# Altium PCB PCB.PcbDoc (part 4 of 4)
Units mm, origin at the board's own origin, x right, y up, seen from the top; angles counter-clockwise.
Board outline 100.83 x 35.45 mm, 6 copper layers (Top Layer, Mid Layer 1, Mid Layer 2, Mid Layer 3, Mid Layer 4, Bottom Layer), stack 1.032 mm thick; 283 components, 227 nets, 1174 pads, 1065 vias.
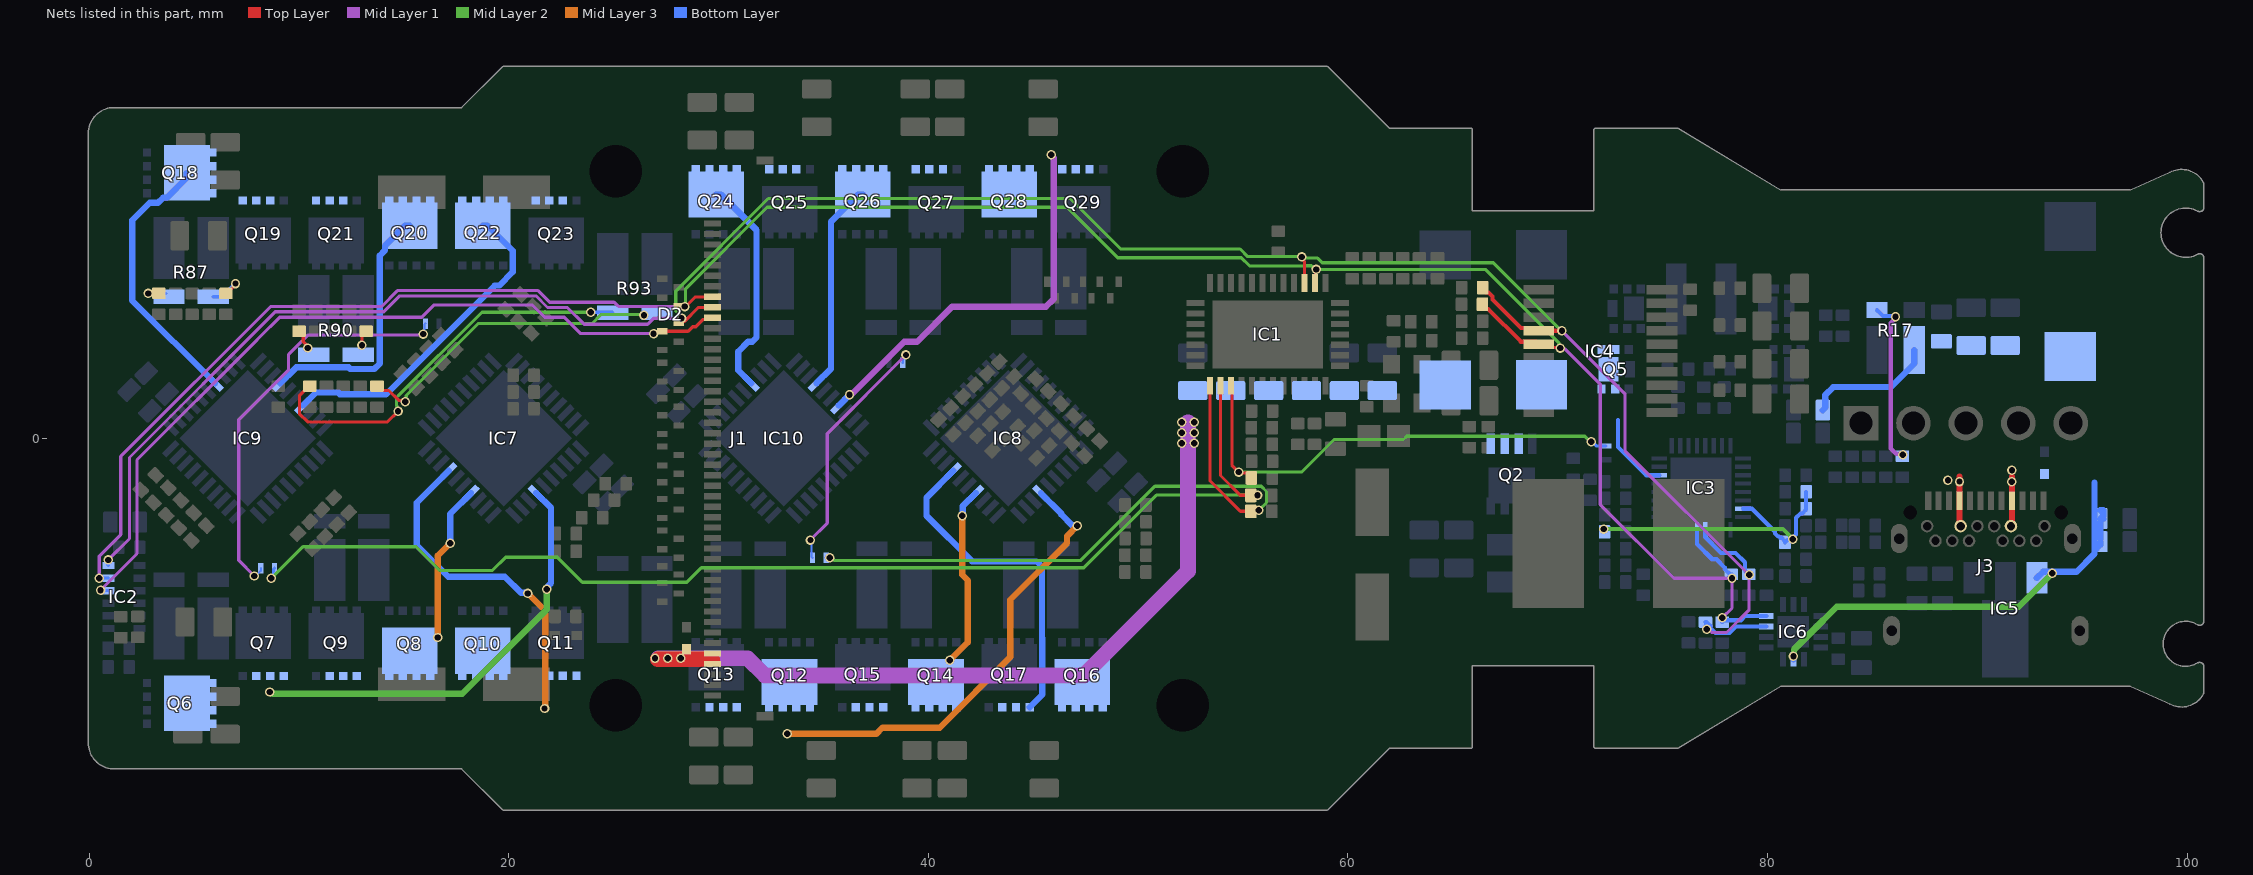
[diagram p8: the nets of this part, all layers, seen from the top]

## Via types
v1: diameter 0.45, hole 0.3, Top Layer to Bottom Layer, tented both sides, 1064 vias
v2: diameter 0.45, hole 0.3, Top Layer to Bottom Layer, tented top, 1 vias

## Nets (pads, with @x,y where several pads share a name; then routed paths per layer and width w, separated by ;. In a path a pad name is that pad's centre, name@x,y a point inside that pad or via, vN(x,y) a via of type N, cw(c..) or ccw(c..) an arc to the next point about the centre after c; other vN are vias at no path point) (continued)
NetR17_4: R17.4 R20.2 | length 8.3
  Mid Layer 1 w0.2: v1(86.1,5.788) 86.1,5.72 85.876,5.496 85.876,-0.484 86.135,-0.743 86.405,-0.743 v1(86.453,-0.791)
  Bottom Layer w0.2: R17.4@85.217,6.105 85.498,5.824 85.931,5.824 85.984,5.77 86.082,5.77 v1(86.1,5.788) ; v1(86.453,-0.791) R20.2@86.435,-0.791 ; R20.2@86.435,-0.791 86.435,-0.853 R20.2@86.43,-0.858 86.43,-0.796 R20.2@86.435,-0.791
NetR86_2: R86.2 R87.2 | length 2
  Top Layer w0.15: R86.2@6.511,6.905 6.561,6.905 6.968,7.313 v1(6.968,7.374)
  Bottom Layer w0.15: R87.2@5.902,6.747 6.3,6.747 6.927,7.374 v1(6.968,7.374)
NetR87_3: R87.3 R88.2 | length 1.3
  Top Layer w0.15: v1(2.805,6.902) 2.807,6.904 3.309,6.904 R88.2@3.311,6.905
  Bottom Layer w0.15: v1(2.805,6.902) R87.3@3.641,6.902
NetR89_2: R89.2 R90.2 | length 0.7
  Top Layer w0.15: v1(12.994,4.439) 13,4.445 13,4.9 R89.2@13.2,5.1
NetR90_3: R90.3 R91.2 | length 1
  Top Layer w0.15: R91.2@10,5.1 10.195,4.905 10.195,4.594 10.405,4.384 v1(10.405,4.302)
NetR92_2: R92.2 R93.3 | length 19.3
  Top Layer w0.15: R92.2@10.513,2.483 10.463,2.483 10.013,2.033 10.013,1.167 10.403,0.777 14.21,0.777 v1(14.718,1.285)
  Mid Layer 2 w0.15: v1(14.718,1.285) 14.661,1.343 14.661,1.546 14.636,1.57 14.636,1.922 18.717,6.002 v1(23.905,6.002)
  Bottom Layer w0.15: v1(23.905,6.002) 24.927,6.002 R93.3@24.952,5.977
NetR93_2: R93.2 R94.2 | length 14.9
  Top Layer w0.15: R94.2@13.713,2.483 13.913,2.283 14.263,2.283 14.742,1.804 15.004,1.804 v1(15.061,1.746)
  Mid Layer 2 w0.15: v1(15.061,1.746) 15.106,1.791 15.106,2.038 18.536,5.468 23.972,5.468 24.406,5.902 26.393,5.902 v1(26.437,5.858)
NetRT1_1: RT1.1 RT3.2 | length 12
  Mid Layer 1 w0.15: v1(34.373,-4.854) 35.179,-4.048 35.179,0.223 v1(38.928,3.972)
  Bottom Layer w0.102: v1(34.373,-4.854) 34.424,-4.905 34.424,-5.649 RT3.2@34.475,-5.7 ; RT1.1@38.775,3.6 38.775,3.725 38.928,3.878 v1(38.928,3.972)
NetRT2_1: RT2.1 RT4.2 | length 19.8
  Mid Layer 1 w0.15: v1(7.867,-6.566) 7.119,-5.819 7.119,0.886 9.5,3.267 9.5,3.998 10.417,4.915 15.865,4.915 v1(15.916,4.965)
  Bottom Layer w0.102: v1(7.867,-6.566) 7.934,-6.566 8.175,-6.325 RT4.2@8.175,-6.2 ; v1(15.916,4.965) 15.968,5.018 15.968,5.416 RT2.1@16.021,5.468
OUTAA: IC7.7 Q6.5 Q6.6 Q6.7 Q6.8 Q6.9 Q7.1 Q7.2 Q7.3 | length 20.8
  Mid Layer 2 w0.3: v1(8.605,-12.098) 8.646,-12.098 8.736,-12.187 17.78,-12.187 21.805,-8.162 v1(21.805,-7.198)
  Bottom Layer w0.3: IC7.7@21.305,-2.614 22.005,-3.314 22.005,-6.905 21.88,-7.03 21.88,-7.082 21.805,-7.157 v1(21.805,-7.198)
OUTAB: IC7.14 Q8.5 Q8.6 Q8.7 Q8.8 Q8.9 Q9.1 Q9.2 Q9.3 | length 7.5
  Mid Layer 3 w0.3: v1(16.605,-9.498) 16.605,-5.595 v1(17.2,-5)
  Bottom Layer w0.3: v1(17.2,-5) 17.2,-3.608 IC7.14@18.194,-2.614
OUTAC: IC7.17 Q10.5 Q10.6 Q10.7 Q10.8 Q10.9 Q11.1 Q11.2 Q11.3 | length 16.3
  Mid Layer 3 w0.3: v1(20.905,-7.398) 21.728,-8.22 21.728,-12.854 v1(21.7,-12.883)
  Bottom Layer w0.3: IC7.17@17.133,-1.553 15.605,-3.081 15.605,-5.098 17.105,-6.598 19.805,-6.598 20.578,-7.37 20.878,-7.37 v1(20.905,-7.398)
OUTBA: IC8.7 Q12.5 Q12.6 Q12.7 Q12.8 Q12.9 Q13.1 Q13.2 Q13.3 | length 22.1
  Mid Layer 3 w0.3: v1(33.274,-14.081) 37.522,-14.081 37.805,-13.798 40.537,-13.798 43.905,-10.429 43.905,-7.698 46.605,-4.998 46.605,-4.667 v1(47.1,-4.173)
  Bottom Layer w0.3: IC8.7@45.361,-2.614 46.333,-3.586 46.333,-3.633 46.845,-4.144 47.071,-4.144 v1(47.1,-4.173)
OUTBB: IC8.14 Q14.5 Q14.6 Q14.7 Q14.8 Q14.9 Q15.1 Q15.2 Q15.3 | length 8.7
  Mid Layer 3 w0.3: v1(41.014,-10.589) 41.869,-9.734 41.869,-6.777 41.605,-6.513 v1(41.605,-3.698)
  Bottom Layer w0.3: v1(41.605,-3.698) 41.634,-3.669 41.634,-3.23 IC8.14@42.25,-2.614
OUTBC: IC8.17 Q16.5 Q16.6 Q16.7 Q16.8 Q16.9 Q17.1 Q17.2 Q17.3 | length 16.1
  Bottom Layer w0.3: IC8.17@41.189,-1.553 39.905,-2.837 39.905,-3.698 42.08,-5.873 45.156,-5.873 45.413,-6.13 45.413,-9.516 45.425,-9.528 45.425,-12.219 Q17.1@44.825,-12.819
OUTCA: IC9.7 Q18.5 Q18.6 Q18.7 Q18.8 Q18.9 Q19.1 Q19.2 Q19.3 | length 13.1
  Bottom Layer w0.3: Q18.9@4.65,12.647 4.65,12.422 3.7,11.472 3.524,11.472 3.274,11.222 2.879,11.222 2.049,10.393 2.049,6.563 IC9.7@5.994,2.619
OUTCB: IC9.14 Q20.5 Q20.6 Q20.7 Q20.8 Q20.9 Q21.1 Q21.2 Q21.3 | length 12.5
  Bottom Layer w0.3: IC9.14@9.105,2.619 9.789,3.302 9.864,3.377 12.359,3.377 12.434,3.302 13.587,3.302 13.845,3.56 13.845,8.707 14.095,8.957 14.095,9.182 15.045,10.132 Q20.9@15.27,10.132
OUTCC: IC9.17 Q22.5 Q22.6 Q22.7 Q22.8 Q22.9 Q23.1 Q23.2 Q23.3 | length 15.6
  Bottom Layer w0.3: IC9.17@10.166,1.558 10.785,2.177 11.862,2.177 11.937,2.102 14.145,2.102 19.32,7.277 19.533,7.277 20.185,7.929 20.185,8.536 20.185,8.932 18.985,10.132 Q22.9@18.76,10.132
OUTDA: IC10.7 Q24.5 Q24.6 Q24.7 Q24.8 Q24.9 Q25.1 Q25.2 Q25.3 | length 10.7
  Bottom Layer w0.3: Q24.9@29.888,11.617 30.113,11.617 31.805,9.925 31.805,4.807 31.741,4.743 31.595,4.596 31.399,4.596 30.934,4.131 30.934,3.235 IC10.7@31.55,2.619
OUTDB: IC10.14 Q26.5 Q26.6 Q26.7 Q26.8 Q26.9 Q27.1 Q27.2 Q27.3 | length 10
  Bottom Layer w0.3: IC10.14@34.661,2.619 35.356,3.314 35.356,10.324 36.65,11.617 Q26.9@36.875,11.617
OUTDC: IC10.17 Q28.5 Q28.6 Q28.7 Q28.8 Q28.9 Q29.1 Q29.2 Q29.3 | length 19.3
  Mid Layer 1 w0.3: v1(36.236,2.072) 36.276,2.072 36.351,2.147 36.396,2.147 38.849,4.6 39.457,4.6 41.124,6.267 45.6,6.267 45.971,6.638 45.971,13.356 45.85,13.477 v1(45.85,13.517)
  Bottom Layer w0.3: IC10.17@35.722,1.558 v1(36.236,2.072)
SCL: D2.8 IC1.2 IC2.5 IC3.13 IC4.5 IC6.7 J1.12 R37.1 R43.1 R53.1 | length 114.9
  Top Layer w0.15: v1@28.435,6.278 28.897,6.74 J1.12@29.705,6.74 ; IC1.2@58.425,7.4 58.458,7.433 v1@58.458,8.016 ; IC4.5@69.115,4.5 69.288,4.327 70.094,4.327 v1(70.124,4.298)
  Top Layer w0.2: R43.1@66.411,6.384 66.411,6.334 66.586,6.159 66.682,6.159 68.238,4.602 68.967,4.602 IC4.5@69.092,4.477
  Mid Layer 1 w0.15: v1(0.47,-6.668) 0.47,-5.624 1.5,-4.594 1.5,-0.865 8.646,6.281 13.931,6.281 14.686,7.037 21.392,7.037 21.946,6.483 25.017,6.483 25.217,6.283 27.986,6.283 28.005,6.302 28.354,6.302 v1(28.379,6.277) ; v1@28.378,6.278 v1@28.435,6.278 ; v1(70.124,4.298) 70.181,4.241 70.359,4.241 72.029,2.571 72.029,-3.162 75.54,-6.673 v1(78.305,-6.673) 78.305,-8.097 v1(77.84,-8.563)
  Mid Layer 2 w0.15: v1(28.379,6.277) 28.424,6.322 28.424,7.129 32.303,11.008 46.615,11.008 49.016,8.607 54.917,8.607 55.305,8.219 57.967,8.219 57.972,8.224 58.253,8.224 58.428,8.049 66.551,8.049 70.066,4.534 70.066,4.355 v1(70.124,4.298)
  Bottom Layer w0.15: v1(0.47,-6.668) IC2.5@0.911,-6.668
  Bottom Layer w0.2: IC3.13@76.635,-4.361 76.635,-5.036 77.365,-5.766 77.568,-5.766 77.957,-6.156 77.957,-6.225 78.221,-6.489 R37.1@78.271,-6.489 ; R53.1@77.825,-8.749 R53.1@77.84,-8.763 ; v1(77.84,-8.563) R53.1@77.84,-8.763 ; R37.1@78.125,-6.664 R37.1@78.211,-6.579 ; R37.1@78.3,-6.489 R37.1@78.211,-6.579 ; v1(78.305,-6.673) R37.1@78.211,-6.579 ; IC6.7@79.935,-8.479 78.93,-8.479 78.73,-8.679 77.924,-8.679 R53.1@77.84,-8.763
  other v1: 58.491,8.049
SDA: D2.7 IC1.3 IC2.6 IC3.12 IC4.4 IC6.6 J1.13 R36.1 R44.1 R52.1 | length 118.2
  Top Layer w0.15: v1@28.377,5.577 29.04,6.24 J1.13@29.705,6.24 ; v1(57.791,8.644) 57.791,8.563 57.925,8.429 IC1.3@57.925,7.4
  Top Layer w0.2: R44.1@66.414,7.179 66.414,7.129 66.589,6.954 66.692,6.954 66.886,6.76 66.886,6.614 68.247,5.252 68.967,5.252 69.144,5.076 69.196,5.128 v1@70.197,5.128
  Mid Layer 1 w0.15: v1(0.895,-5.8) 0.9,-5.8 1.913,-4.787 1.913,-0.918 8.862,6.031 14.034,6.031 14.79,6.787 15.142,6.787 15.144,6.785 21.291,6.785 21.842,6.233 22.784,6.233 23.584,5.433 26.613,5.433 26.902,5.721 v1(28.233,5.721) ; v1(70.198,5.129) 73.2,2.126 73.2,-0.59 79.117,-6.507 v1(79.124,-6.507) 79.124,-8.179 78.041,-9.261 77.338,-9.261 77.176,-9.1 v1(77.1,-9.1)
  Mid Layer 2 w0.15: v1(28.233,5.721) 28.233,5.801 27.954,6.079 27.954,7.013 32.369,11.428 46.764,11.428 49.171,9.022 54.856,9.022 55.222,8.655 56.023,8.655 57.78,8.655 v1(57.791,8.644) 57.849,8.587 58.554,8.587 58.772,8.368 66.932,8.368 70.171,5.129 v1(70.198,5.129)
  Bottom Layer w0.15: v1(0.895,-5.8) 0.895,-6.051 IC2.6@0.912,-6.068
  Bottom Layer w0.2: IC3.12@77.035,-4.361 77.035,-4.719 77.782,-5.466 78.478,-5.466 78.926,-5.914 78.926,-6.314 79.101,-6.489 R36.1@79.111,-6.489 79.124,-6.503 v1(79.124,-6.507) ; v1(77.1,-9.1) 77.07,-9.07 77.07,-8.794 R52.1@77.04,-8.763 77.09,-8.763 77.265,-8.938 77.265,-9.038 77.315,-9.088 77.515,-9.289 78.18,-9.289 78.49,-8.979 IC6.6@79.935,-8.979
Temp1: IC1.22 R12.2 RT5.1 | length 23.4
  Top Layer w0.15: IC1.22@54.425,2.5 54.463,2.463 54.463,-1.28 v1(54.796,-1.613) 54.839,-1.656 55.197,-1.656 55.397,-1.856 R12.2@55.397,-1.895
  Mid Layer 2 w0.15: v1(54.796,-1.613) 57.787,-1.613 59.342,-0.058 62.644,-0.058 62.795,0.093 71.285,0.093 71.547,-0.169 v1(71.599,-0.169)
  Bottom Layer w0.15: v1(71.599,-0.169) 71.649,-0.169 71.855,-0.375 RT5.1@72.3,-0.375
Temp2: IC1.21 R11.2 RT4.1 | length 57.6
  Top Layer w0.15: IC1.21@53.925,2.5 53.925,-1.778 54.868,-2.72 R11.2@55.374,-2.72 ; R11.2@55.368,-2.727 55.38,-2.714 v1(55.69,-2.714)
  Mid Layer 2 w0.15: v1(8.669,-6.68) 10.177,-5.173 15.573,-5.173 16.707,-6.307 19.21,-6.307 19.845,-5.673 22.31,-5.673 23.504,-6.867 28.482,-6.867 29.174,-6.175 47.407,-6.175 50.868,-2.714 v1(55.69,-2.714)
  Bottom Layer w0.15: v1(8.669,-6.68) 8.669,-6.599 8.775,-6.493 8.775,-6.25 RT4.1@8.825,-6.2
Temp3: IC1.20 R10.2 RT3.1 | length 31.3
  Top Layer w0.15: IC1.20@53.425,2.5 53.425,-2.037 54.87,-3.482 R10.2@55.37,-3.482 ; R10.2@55.294,-3.611 55.449,-3.611 55.449,-3.557 55.57,-3.436 v1(55.746,-3.436)
  Mid Layer 2 w0.15: v1(35.3,-5.7) 35.381,-5.7 35.504,-5.823 47.26,-5.823 50.793,-2.289 55.866,-2.289 56.115,-2.538 56.115,-3.067 v1(55.746,-3.436)
  Bottom Layer w0.15: RT3.1@35.125,-5.7 v1(35.3,-5.7)
TOF_INT: D2.4 IC2.4 J1.14 | length 38.1
  Top Layer w0.15: D2.4@27.305,5.102 28.546,5.102 28.759,5.315 28.915,5.315 29.265,5.665 J1.14@29.63,5.665
  Mid Layer 1 w0.15: v1(0.533,-7.24) 2.271,-5.503 2.271,-1.034 7.88,4.576 7.88,4.578 8.129,4.827 8.132,4.827 9.075,5.771 15.845,5.771 16.417,6.343 21.126,6.343 21.702,5.767 22.644,5.767 23.424,4.987 v1(26.898,4.987)
  Bottom Layer w0.15: v1(0.533,-7.24) 0.547,-7.254 0.898,-7.254 IC2.4@0.912,-7.268
VBUS: C15.2 C16.1 C17.2 C18.2 C78.2 C79.2 D12.1 IC5.3 IC6.2 J3.A4 J3.A9 J3.B4 J3.B9 R17.2 R23.2 | length 33.9
  Top Layer w0.3: J3.B9@89.155,-4.14 J3.A4@89.155,-2.98 89.155,-1.839 ; J3.B4@91.655,-4.14 J3.A9@91.655,-2.98 91.655,-1.839
  Mid Layer 2 w0.3: v1(81.235,-10.392) 81.264,-10.363 81.264,-10.069 82.074,-9.259 83.3,-8.033 91.97,-8.033 v1(93.571,-6.432)
  Bottom Layer w0.3: IC6.2@81.235,-10.529 v1(81.235,-10.392) ; R23.2@82.635,1.339 82.758,1.462 82.758,2.062 83.135,2.439 85.872,2.439 86.993,3.56 R17.2@86.993,4.198 ; IC5.3@92.835,-6.661 93.135,-6.361 94.731,-6.361 95.561,-5.53 95.585,-5.507 C79.2@95.585,-5.366 ; 95.585,-2.123 C79.2@95.585,-5.366 ; C78.2@95.855,-3.43 96.005,-3.43 96.005,-3.696 C78.2@95.868,-3.832 ; C79.2@95.868,-4.932 95.868,-5.082 C79.2@95.585,-5.366 ; C79.2@95.868,-4.789 95.868,-3.976 C78.2@96.012,-3.832
  other v1: 89.152,-2.066 91.643,-2.077 88.6,-2 91.65,-1.527
VDDA: C43.2 IC3.7 R24.2 R28.2 R30.2 | length 15.1
  Mid Layer 2 w0.2: v1@72.194,-4.332 80.73,-4.332 v1(81.208,-4.81)
  Bottom Layer w0.2: v1(72.194,-4.331) 72.194,-4.428 R30.2@72.232,-4.466 ; IC3.7@78.835,-3.361 79.261,-3.361 80.357,-4.457 80.357,-4.542 80.507,-4.691 80.54,-4.691 80.59,-4.741 80.657,-4.741 80.832,-4.916 C43.2@80.832,-4.966 80.941,-4.858 81.16,-4.858 v1(81.208,-4.81) ; v1@81.219,-4.821 81.219,-4.731 81.358,-4.592 81.358,-3.79 81.567,-3.581 81.663,-3.581 81.838,-3.406 R24.2@81.838,-2.556
VSYS: C19.1 C20.1 C21.2 C22.2 C23.2 C24.2 C25.2 C26.2 D9.1 IC3.22 J1.46 J1.47 Q2.1 Q2.2 Q2.3 Q5.1 Q5.2 Q5.5 Q5.6 Q5.7 | length 41.2
  Top Layer w0.75: v1@27.11,-10.535 29.68,-10.535
  Mid Layer 1 w0.75: v1@27.121,-10.482 v1(27.575,-10.482) 28.157,-10.482 28.186,-10.51 28.214,-10.482 31.373,-10.482 32.205,-11.314 47.388,-11.314 52.371,-6.332 52.371,0.768
  Bottom Layer w0.2: 72.871,0.868 72.871,-0.412 74.22,-1.761 IC3.22@74.835,-1.761
  other v1: 26.964,-10.482 28.186,-10.482 52.07,-0.237 52.67,-0.237 52.07,0.263 52.67,0.263 52.07,0.763 52.67,0.763
pads on no net: IC1.5 IC3.9 IC3.10 IC3.15 IC4.1 IC4.2 IC4.11 J1.43 J1.44 J1.45 J1.51 J1.52 J3.A2 J3.A3 J3.A8 J3.A10 J3.A11 J3.B2 J3.B3 J3.B8 J3.B10 J3.B11 J3.MH5 J3.MH6 M1.1 M2.1 M3.1 M4.1 Y1.1

## Polygon pours and split planes (outlines as drawn)
GND on Bottom Layer "L04_GND" (solid, pour order 193): 71.774,-14.73 75.702,-14.73 80.612,-11.784 97.306,-11.784 99.2,-12.625 ccw(c99.59,-11.124) 100.736,-12.169 100.736,-10.814 ccw(c100.597,-10.898) 100.517,-10.757 cw(c99.931,-9.8) 100.516,-8.841 100.514,-8.841 ccw(c100.599,-8.702) 100.738,-8.786 100.738,8.667 100.737,8.667 ccw(c100.598,8.583) 100.514,8.722 cw(c99.931,9.799) 100.514,10.876 100.514,10.877 ccw(c100.598,11.016) 100.737,10.932 100.738,10.932 100.738,12.171 100.736,12.17 ccw(c99.59,11.125) 99.2,12.627 99.201,12.626 97.306,11.784 80.612,11.784 75.702,14.73 71.774,14.73
NetC29_2 on Bottom Layer "L04_BMS_POW_VBUS" (solid, pour order 95): 80.671,2.068 81.771,2.068 81.871,2.168 81.871,2.668 82.249,3.047 85.749,3.047 85.871,3.168 85.871,5.294 85.796,5.369 82.471,5.369 81.671,4.568 80.671,4.568 80.571,4.468 80.571,2.168
VBUS on Bottom Layer "L04_BMS_POW_USB_VBUS" (solid, pour order 111): 88.835,-2.654 88.303,-2.123 88.306,-1.979 88.483,-1.802 88.835,-1.45 89.063,-1.222 94.963,-1.222 96.405,0.22 96.405,1.62 95.305,2.72 86.28,2.72 86.155,2.845 86.155,5.42 86.28,5.545 87.38,5.545 87.555,5.37 87.555,5.22 90.755,5.22 95.505,5.22 97.805,2.92 97.805,-0.466 95.39,-2.88 93.005,-2.88 92.012,-3.873 92.012,-4.268 91.755,-4.524 91.466,-4.524 91.263,-4.321 91.263,-3.771 91.172,-3.68 89.716,-3.68 89.535,-3.861 89.535,-4.361 89.372,-4.524 89.06,-4.524 88.835,-4.299
VSYS on Bottom Layer "L04_BMS_POW_SYS" (solid, pour order 112): 68.246,-0.85 68.44,-0.656 68.44,0.155 68.91,0.625 72.931,0.625 73.64,1.334 73.64,3.839 73.404,4.075 63.935,4.075 63.035,3.175 51.76,3.175 51.16,2.575 51.16,0.325 52.335,-0.85 67.435,-0.85
NetC31_2 on Bottom Layer "L04_BMS_POW_COIL2" (solid, pour order 109): 76.815,8.483 76.996,8.664 79.234,8.664 80.615,7.283 80.615,4.583 80.535,4.503 80.535,3.089 79.379,1.933 79.379,-0.123 78.785,-0.717 78.138,-0.717 78.138,0.015 78.488,0.015 78.488,3.018 76.815,4.691
BAT+_F on Bottom Layer "L04_BAT+_F" (solid, pour order 194): 1.181,-15.719 17.74,-15.719 19.702,-17.681 19.707,-17.683 58.987,-17.683 58.992,-17.681 61.936,-14.737 65.861,-14.737 65.868,-14.73 65.868,-10.809 71.746,-10.809 71.746,-14.73 71.753,-14.737 75.681,-14.737 75.684,-14.736 80.593,-11.791 97.283,-11.791 99.175,-12.632 99.181,-12.632 ccw(c99.568,-11.124) 100.717,-12.174 100.721,-12.161 100.721,-10.814 100.72,-10.811 ccw(c100.577,-10.898) 100.498,-10.75 100.491,-10.751 cw(c99.909,-9.799) 100.49,-8.846 100.497,-8.847 ccw(c100.579,-8.7) 100.722,-8.787 100.721,-8.781 100.721,-7.437 100.721,-7.429 100.721,8.664 100.721,8.668 ccw(c100.577,8.581) 100.495,8.728 100.489,8.727 cw(c99.909,9.799) 100.489,10.87 100.494,10.87 ccw(c100.577,11.016) 100.719,10.927 100.721,10.932 100.722,12.17 100.717,12.176 ccw(c99.569,11.125) 99.18,12.633 99.176,12.632 97.283,11.791 80.593,11.791 75.684,14.736 75.681,14.737 71.753,14.737 71.746,14.73 71.746,10.809 65.868,10.809 65.868,14.73 65.861,14.737 61.936,14.737 58.992,17.681 58.987,17.683 19.707,17.683 19.702,17.681 17.74,15.719 1.18,15.719 1.157,15.718 ccw(c1.157,14.538) -0.022,14.538 -0.022,14.52 -0.021,-14.515 ccw(c1.159,-14.538)
OUTCB on Bottom Layer "L04_MOSCB_OUT" (solid, pour order 181): 13.105,13.102 12.186,13.102 10.608,11.524 10.608,10.866 10.672,10.802 16.594,10.802 16.596,10.803 16.596,11.691 15.685,12.602 15.505,12.602
OUTDC on Bottom Layer "L04_MOSDC_OUT" (solid, pour order 192): 47.54,14.242 48.005,13.777 48.005,12.496 47.889,12.38 43.028,12.38 42.538,12.489 42.537,12.734 43.76,13.957 44.272,14.469
OUTDA on Bottom Layer "L04_MOSDA_OUT" (solid, pour order 187): 35.505,14.397 34.005,12.897 34.005,12.517 33.779,12.29 32.105,12.297 28.798,12.31 28.565,12.543 28.565,14.156 30.005,15.597 33.405,15.597
OUTDB on Bottom Layer "L04_MOSDB_OUT" (solid, pour order 191): 41.005,14.646 41.005,12.702 40.6,12.297 35.611,12.297 35.605,12.302 35.605,12.597 38.005,14.997 40.105,14.997
OUTBC on Bottom Layer "L04_MOSBC_OUT" (solid, pour order 185): 47.54,-14.242 48.665,-13.117 48.665,-12.497 46.605,-12.497 46.488,-12.38 43.388,-12.38 43.388,-12.388 43.174,-12.603 43.174,-13.371 43.76,-13.957 44.272,-14.47
OUTBB on Bottom Layer "L04_MOSBB_OUT" (solid, pour order 184): 42.04,-14.242 42.04,-13.083 41.248,-12.291 41.242,-12.298 36.477,-12.298 36.243,-12.532 36.243,-13.235 38.005,-14.998 40.105,-14.998
OUTBA on Bottom Layer "L04_MOSBA_OUT" (solid, pour order 183): 35.505,-14.398 34.694,-13.586 34.694,-12.681 32.489,-12.681 32.105,-12.298 29.452,-12.308 29.254,-12.506 29.254,-14.846 30.005,-15.598 33.405,-15.598
OUTCC on Bottom Layer "L04_MOSCC_OUT" (solid, pour order 182): 23.552,10.802 23.905,11.155 23.905,13.002 23.805,13.102 18.605,13.102 18.605,12.811 17.436,11.642 17.436,11.156 19.452,11.156 19.905,10.702 20.005,10.802 23.505,10.802
OUTCA on Bottom Layer "L04_MOSCA_OUT" (solid, pour order 180): 5.75,13.972 5.886,14.109 9.48,14.109 9.48,12.334 9.703,12.111 9.697,12.105 9.697,11.065 9.628,10.995 9.52,10.995 6.066,10.995 5.205,11.856 5.205,12.702
OUTAC on Bottom Layer "L04_MOSAC_OUT" (solid, pour order 179): 23.552,-10.798 23.905,-11.151 23.905,-12.998 23.805,-13.098 18.605,-13.098 18.605,-12.806 17.436,-11.637 17.436,-11.151 19.452,-11.151 19.905,-10.698 20.005,-10.798 23.505,-10.798
OUTAB on Bottom Layer "L04_MOSAB_OUT" (solid, pour order 178): 13.105,-13.098 12.62,-13.098 11.154,-11.632 11.154,-10.949 11.305,-10.798 16.594,-10.798 16.594,-10.797 16.596,-10.799 16.596,-11.687 15.685,-12.598 15.505,-12.598
OUTAA on Bottom Layer "L04_MOSAA_OUT" (solid, pour order 177): 5.75,-13.968 5.886,-14.104 9.48,-14.104 9.48,-12.33 9.703,-12.107 9.697,-12.1 9.697,-11.06 9.574,-10.937 9.52,-10.991 6.066,-10.991 5.205,-11.852 5.205,-12.698
NetQ25_5 on Bottom Layer "L04_MOSDA_RES" (solid, pour order 176): 32.562,6.896 32.262,7.196 32.262,9.326 32.192,9.396 32.057,9.531 32.057,10.596 34.702,10.596 34.702,9.637 33.462,8.396 33.462,7.096 33.262,6.896
NetQ27_5 on Bottom Layer "L04_MOSDB_RES" (solid, pour order 175): 39.548,6.896 39.248,7.196 39.248,9.326 39.178,9.396 39.043,9.531 39.043,10.596 41.689,10.596 41.689,9.637 40.448,8.396 40.448,7.096 40.248,6.896
NetQ29_5 on Bottom Layer "L04_MOSDC_RES" (solid, pour order 174): 46.534,6.896 46.234,7.196 46.234,9.326 46.165,9.396 46.03,9.531 46.03,10.596 48.675,10.596 48.675,9.637 47.434,8.396 47.434,7.096 47.234,6.896
NetQ17_5 on Bottom Layer "L04_MOSBC_RES" (solid, pour order 173): 44.669,-6.898 44.969,-7.198 44.969,-9.398 45.039,-9.398 45.174,-9.533 45.174,-10.598 42.529,-10.598 42.529,-9.638 43.769,-8.398 43.769,-7.098 43.969,-6.898
NetQ15_5 on Bottom Layer "L04_MOSBB_RES" (solid, pour order 172): 37.687,-6.898 37.987,-7.198 37.987,-9.398 38.057,-9.398 38.192,-9.533 38.192,-10.598 35.547,-10.598 35.547,-9.638 36.787,-8.398 36.787,-7.098 36.987,-6.898
NetQ13_5 on Bottom Layer "L04_MOSBA_RES" (solid, pour order 170): 30.705,-6.898 31.005,-7.198 31.005,-9.398 31.075,-9.398 31.21,-9.533 31.21,-10.598 28.565,-10.598 28.565,-9.638 29.805,-8.398 29.805,-7.098 30.005,-6.898
NetQ11_5 on Bottom Layer "L04_MOSAC_RES" (solid, pour order 169): 25.704,-6.834 25.476,-6.607 23.896,-6.607 22.705,-7.798 21.104,-7.798 20.905,-7.997 20.905,-10.498 21.035,-10.627 25.045,-10.627 25.704,-9.969
NetQ9_5 on Bottom Layer "L04_MOSAB_RES" (solid, pour order 165): 12.31,-4.687 10.766,-4.687 10.466,-4.987 10.466,-8.287 11.366,-9.187 13.005,-9.187 13.005,-8.126 12.566,-7.687 12.566,-4.942
NetQ7_5 on Bottom Layer "L04_MOSAA_RES" (solid, pour order 166): 4.905,-7.524 5.111,-7.318 6.464,-7.318 7.068,-7.923 9.484,-7.923 9.803,-8.242 9.803,-10.205 9.484,-10.524 7.355,-10.54 5.227,-10.524 4.905,-10.203
NetQ23_5 on Bottom Layer "L04_MOSCC_RES" (solid, pour order 164): 25.704,6.839 25.476,6.612 23.896,6.612 22.705,7.802 21.104,7.802 20.905,8.001 20.905,10.502 21.035,10.632 25.045,10.632 25.704,9.974
NetQ21_5 on Bottom Layer "L04_MOSCB_RES" (solid, pour order 163): 11.961,4.702 13.505,4.702 13.805,5.002 13.805,8.302 12.905,9.202 12.905,10.202 11.105,10.202 11.005,10.102 11.005,8.402 11.705,7.702 11.705,4.958
NetQ19_5 on Bottom Layer "L04_MOSCA_RES" (solid, pour order 161): 4.905,7.523 5.111,7.318 6.464,7.318 7.069,7.922 9.484,7.922 9.804,8.241 9.804,10.204 9.484,10.524 7.355,10.539 5.227,10.524 4.905,10.202
OUTAA on Bottom Layer "OUTAA" (solid, pour order 103): 7.04,-12.242 10.54,-12.242 10.54,-15.742 7.04,-15.742
OUTAB on Bottom Layer "OUTBA" (solid, pour order 101): 12.54,-12.242 16.04,-12.242 16.04,-15.742 12.54,-15.742
OUTAC on Bottom Layer "OUTCA" (solid, pour order 107): 18.04,-12.242 21.54,-12.242 21.54,-17.992 18.04,-17.992
OUTBA on Bottom Layer "OUTBA_L06_P098" (solid, pour order 98): 33.04,-14.242 36.54,-14.242 36.54,-17.742 33.04,-17.742
OUTBB on Bottom Layer "OUTBB_L06_P099" (solid, pour order 99): 38.54,-14.242 42.04,-14.242 42.04,-17.742 38.54,-17.742
OUTBC on Bottom Layer "NONET_L04_P030" (solid, pour order 100): 44.04,-14.242 47.54,-14.242 47.54,-17.742 44.04,-17.742
OUTCB on Bottom Layer "OUTCB_L06_P102" (solid, pour order 102): 12.54,12.104 16.04,12.104 16.04,15.604 12.54,15.604
OUTCA on Bottom Layer "OUTCA_L06_P104" (solid, pour order 104): 7.04,12.104 10.54,12.104 10.54,15.604 7.04,15.604
OUTCC on Bottom Layer "OUTCC_L06_P108" (solid, pour order 108): 18.04,12.104 21.54,12.104 21.54,17.854 18.04,17.854
OUTDB on Bottom Layer "NONET_L04_P037" (solid, pour order 130): 38.54,14.104 42.04,14.104 42.04,17.604 38.54,17.604
OUTDA on Bottom Layer "NONET_L04_P038" (solid, pour order 131): 33.04,14.104 36.54,14.104 36.54,17.604 33.04,17.604
OUTDC on Bottom Layer "NONET_L04_P036" (solid, pour order 136): 44.04,14.104 47.54,14.104 47.54,17.604 44.04,17.604
NetC32_2 on Bottom Layer "L04_BMS_POW_COIL1" (solid, pour order 110): 76.815,8.483 76.634,8.664 74.396,8.664 73.015,7.283 73.015,4.583 73.085,4.512 73.085,-0.288 74.315,-1.517 75.215,-1.517 75.215,-1.217 74.539,-1.217 74.215,-0.893 74.215,0.083 75.215,1.083 75.215,3.183 76.815,4.783
NetQ2_5 on Bottom Layer "L04_BMS_POW_VSYS_SENS" (solid, pour order 96): 68.816,-5.58 69.035,-5.361 69.035,-3.161 68.854,-2.98 66.916,-2.98 66.435,-3.461 66.435,-5.361 66.654,-5.58
no net on Bottom Solder "OUTAA_L04_P035" (solid, pour order 133): 7.04,-12.242 10.54,-12.242 10.54,-15.742 7.04,-15.742
no net on Bottom Solder "OUTBA_L04_P034" (solid, pour order 134): 12.54,-12.242 16.04,-12.242 16.04,-15.742 12.54,-15.742
no net on Bottom Solder "OUTCA_L04_P033" (solid, pour order 137): 18.04,-12.242 21.54,-12.242 21.54,-17.992 18.04,-17.992
no net on Bottom Solder "NONET_L04_P036" (solid): 44.04,14.104 47.54,14.104 47.54,17.604 44.04,17.604
no net on Bottom Solder "NONET_L04_P038" (solid): 33.04,14.104 36.54,14.104 36.54,17.604 33.04,17.604
no net on Bottom Solder "NONET_L04_P037" (solid): 38.54,14.104 42.04,14.104 42.04,17.604 38.54,17.604
no net on Bottom Solder "NONET_L04_P042" (solid, pour order 128): 44.04,-14.242 47.54,-14.242 47.54,-17.742 44.04,-17.742
no net on Bottom Solder "NONET_L04_P067" (solid, pour order 122): 100.734,7.424 cw(c99.931,9.799) 100.732,12.174 100.743,12.169 100.743,12.161 100.743,10.583 100.733,10.574 ccw(c99.931,9.799) 100.733,9.023 100.743,9.014
no net on Bottom Solder "NONET_L04_P067" (solid, pour order 123): 100.708,7.443 cw(c99.905,9.818) 100.706,12.193 100.717,12.188 100.717,12.18 100.717,10.602 100.707,10.593 ccw(c99.905,9.818) 100.707,9.042 100.717,9.033
no net on Bottom Solder "NONET_L01_P068" (solid, pour order 126): 100.708,7.443 cw(c99.905,9.818) 100.706,12.193 100.717,12.188 100.717,12.18 100.717,10.602 100.707,10.593 ccw(c99.905,9.818) 100.707,9.042 100.717,9.033
no net on Bottom Solder "NONET_L01_P068" (solid, pour order 125): 100.708,-12.154 cw(c99.905,-9.78) 100.706,-7.405 100.717,-7.41 100.717,-7.418 100.717,-8.996 100.707,-9.004 ccw(c99.905,-9.78) 100.707,-10.555 100.717,-10.564
no net on Bottom Solder "NONET_L04_P067" (solid, pour order 120): 100.708,-12.154 cw(c99.905,-9.78) 100.706,-7.405 100.717,-7.41 100.717,-7.418 100.717,-8.996 100.707,-9.004 ccw(c99.905,-9.78) 100.707,-10.555 100.717,-10.564
no net on Bottom Solder "NONET_L01_P068" (solid, pour order 124): 100.734,-12.173 cw(c99.931,-9.799) 100.732,-7.424 100.743,-7.429 100.743,-7.437 100.743,-9.015 100.733,-9.023 ccw(c99.931,-9.799) 100.733,-10.574 100.743,-10.583
no net on Bottom Solder "NONET_L04_P067" (solid, pour order 121): 100.734,-12.173 cw(c99.931,-9.799) 100.732,-7.424 100.743,-7.429 100.743,-7.437 100.743,-9.015 100.733,-9.023 ccw(c99.931,-9.799) 100.733,-10.574 100.743,-10.583
no net on Bottom Solder "NONET_L04_P039" (solid, pour order 138): 18.04,12.104 21.54,12.104 21.54,17.854 18.04,17.854
no net on Bottom Solder "NONET_L04_P041" (solid, pour order 127): 7.04,12.104 10.54,12.104 10.54,15.604 7.04,15.604
no net on Bottom Solder "NONET_L04_P040" (solid, pour order 129): 12.54,12.104 16.04,12.104 16.04,15.604 12.54,15.604
no net on Bottom Solder "NONET_L04_P032" (solid, pour order 132): 33.04,-14.242 36.54,-14.242 36.54,-17.742 33.04,-17.742
no net on Bottom Solder "NONET_L04_P031" (solid, pour order 135): 38.54,-14.242 42.04,-14.242 42.04,-17.742 38.54,-17.742
GND on Top Layer "GND_L01_P198_DC" (solid, pour order 196): 60.353,-1.506 60.349,-1.502 60.349,-1.241 61.948,-1.241 61.952,-1.245 61.95,-1.248 61.95,-1.482
GND on Top Layer "GND_L01_P197" (solid, pour order 197): 71.848,-1.233 62.173,-1.233 61.895,-1.511 61.888,-1.503 60.376,-1.503 60.106,-1.233 59.268,-1.233 56.749,-3.752 53.25,-0.253 53.25,8.518 55.453,10.721 71.966,10.721 71.966,11.433 72.3,11.767 99.907,11.767 100.743,10.932 100.743,-11.633 80.857,-11.633 80.713,-11.489 80.713,-10.925 80.713,-4.086 77.29,-0.664 72.417,-0.664
GND on Top Layer "GND_L01_P196_DC" (solid, pour order 195): 21.8,11.067 22.8,10.067 26,10.067 26.322,10.39 26.322,11.663 24.104,11.663 23.2,12.567 23.189,12.557 21.932,12.557 21.932,12.479 21.753,12.3
GND on Top Layer "GND_L01_P195_DC" (solid, pour order 90): 21.973,-12.53 21.976,-12.533 29.417,-12.533 29.807,-12.53 29.807,-9.296 28.425,-7.798 23.925,-7.798 21.968,-9.755 21.968,-10.941 21.707,-11.201 21.733,-11.227 21.733,-12.346
VBUS on Top Layer "L01_BMS_POW_USB_VBUS" (solid, pour order 82): 88.976,-3.449 89.012,-3.485 89.312,-3.485 89.337,-3.46 89.337,-2.535 89.512,-2.36 89.512,-1.753 89.46,-1.7 88.572,-1.7 88.4,-1.872 88.4,-1.961 88.976,-2.537
BAT+_F on Top Layer "BAT+_F_L04_DC" (solid, pour order 198): 1.203,-15.719 17.762,-15.719 19.724,-17.681 19.728,-17.683 59.008,-17.683 59.013,-17.681 61.957,-14.737 65.882,-14.737 65.889,-14.73 65.889,-10.809 71.768,-10.809 71.768,-14.73 71.774,-14.737 75.702,-14.737 75.706,-14.736 80.614,-11.791 97.305,-11.791 99.197,-12.632 99.202,-12.632 ccw(c99.59,-11.124) 100.739,-12.174 100.743,-12.161 100.743,-10.814 100.742,-10.811 ccw(c100.599,-10.898) 100.519,-10.75 100.513,-10.751 cw(c99.931,-9.799) 100.512,-8.846 100.518,-8.847 ccw(c100.6,-8.7) 100.744,-8.787 100.743,-8.781 100.743,-7.437 100.743,-7.429 100.743,8.664 100.742,8.668 ccw(c100.599,8.581) 100.517,8.728 100.511,8.727 cw(c99.931,9.799) 100.51,10.87 100.515,10.87 ccw(c100.598,11.016) 100.741,10.927 100.743,10.932 100.743,12.17 100.739,12.176 ccw(c99.59,11.125) 99.201,12.633 99.198,12.632 97.305,11.791 80.614,11.791 75.706,14.736 75.702,14.737 71.774,14.737 71.768,14.73 71.768,10.809 65.889,10.809 65.889,14.73 65.882,14.737 61.957,14.737 59.013,17.681 59.008,17.683 19.728,17.683 19.724,17.681 17.762,15.719 1.201,15.719 1.179,15.718 ccw(c1.179,14.538) -0.001,14.538 -0.001,14.52 0.001,-14.515 ccw(c1.18,-14.538)
GND on Top Layer "GND_L01_P075_DC" (solid, pour order 87): 71.823,10.848 71.823,14.773 75.748,14.773 81.1,11.551 81.1,10.848
BAT+_F on Top Layer "BAT+_F_L01_IN" (solid, pour order 89): 71.544,-10.785 71.549,-10.781 71.549,-1.688 71.224,-1.363 60.024,-1.363 55.974,-5.413 55.974,-11.413 56.474,-11.913 65.882,-11.913 65.882,-10.789
BAT+ on Top Layer "L01_BAT+_DC" (solid, pour order 88): 77.254,-0.78 72.531,-0.78 71.955,-1.278 71.955,-14.73 75.705,-14.73 80.605,-11.78 80.605,-4.131
VBUS on Top Layer "L01_BMS_POW_USB_VBUS" (solid, pour order 83): 91.465,-3.409 91.501,-3.445 91.801,-3.445 91.826,-3.42 91.826,-2.495 92.001,-2.32 92.001,-1.42 91.851,-1.27 91.451,-1.27 91.301,-1.42 91.301,-2.32 91.465,-2.484
no net on Top Solder "BAT+_L01_P075" (solid, pour order 119): 71.823,10.848 71.823,14.773 75.748,14.773 80.648,11.823 80.648,10.848
BAT+ on Top Solder "BAT+_L01_P075" (solid, pour order 118): 71.83,-10.856 71.83,-14.781 75.755,-14.781 80.655,-11.831 80.655,-10.856
no net on Top Solder "NONET_L01_P068" (solid, pour order 114): 100.734,7.424 cw(c99.931,9.799) 100.732,12.174 100.743,12.169 100.743,12.161 100.743,10.583 100.733,10.574 ccw(c99.931,9.799) 100.733,9.023 100.743,9.014
no net on Top Solder "NONET_L04_P067" (solid, pour order 116): 100.734,7.424 cw(c99.931,9.799) 100.732,12.174 100.743,12.169 100.743,12.161 100.743,10.583 100.733,10.574 ccw(c99.931,9.799) 100.733,9.023 100.743,9.014
no net on Top Solder "NONET_L04_P067" (solid, pour order 117): 100.734,-12.173 cw(c99.931,-9.799) 100.732,-7.424 100.743,-7.429 100.743,-7.437 100.743,-9.015 100.733,-9.023 ccw(c99.931,-9.799) 100.733,-10.574 100.743,-10.583
no net on Top Solder "NONET_L01_P068" (solid, pour order 115): 100.734,-12.173 cw(c99.931,-9.799) 100.732,-7.424 100.743,-7.429 100.743,-7.437 100.743,-9.015 100.733,-9.023 ccw(c99.931,-9.799) 100.733,-10.574 100.743,-10.583
GND on Mid Layer 4 "BAT+_F_L04" (solid, pour order 200): 1.203,-15.719 17.762,-15.719 19.724,-17.681 19.728,-17.683 59.008,-17.683 59.013,-17.681 61.957,-14.737 65.882,-14.737 65.889,-14.73 65.889,-10.809 71.768,-10.809 71.768,-14.73 71.774,-14.737 75.702,-14.737 75.706,-14.736 80.614,-11.791 97.305,-11.791 99.197,-12.632 99.202,-12.632 ccw(c99.59,-11.124) 100.739,-12.174 100.743,-12.161 100.743,-10.814 100.742,-10.811 ccw(c100.599,-10.898) 100.519,-10.75 100.513,-10.751 cw(c99.931,-9.799) 100.512,-8.846 100.518,-8.847 ccw(c100.6,-8.7) 100.744,-8.787 100.743,-8.781 100.743,-7.437 100.743,-7.429 100.743,8.664 100.742,8.668 ccw(c100.599,8.581) 100.517,8.728 100.511,8.727 cw(c99.931,9.799) 100.51,10.87 100.515,10.87 ccw(c100.598,11.016) 100.741,10.927 100.743,10.932 100.743,12.17 100.739,12.176 ccw(c99.59,11.125) 99.201,12.633 99.198,12.632 97.305,11.791 80.614,11.791 75.706,14.736 75.702,14.737 71.774,14.737 71.768,14.73 71.768,10.809 65.889,10.809 65.889,14.73 65.882,14.737 61.957,14.737 59.013,17.681 59.008,17.683 19.728,17.683 19.724,17.681 17.762,15.719 1.201,15.719 1.179,15.718 ccw(c1.179,14.538) -0.001,14.538 -0.001,14.52 0.001,-14.515 ccw(c1.18,-14.538)
GND on Mid Layer 1 "BAT+_F_L04" (solid, pour order 91): 1.203,-15.719 17.762,-15.719 19.724,-17.681 19.728,-17.683 59.008,-17.683 59.013,-17.681 61.957,-14.737 65.882,-14.737 65.889,-14.73 65.889,-10.809 71.768,-10.809 71.768,-14.73 71.774,-14.737 75.702,-14.737 75.706,-14.736 80.614,-11.791 97.305,-11.791 99.197,-12.632 99.202,-12.632 ccw(c99.59,-11.124) 100.739,-12.174 100.743,-12.161 100.743,-10.814 100.742,-10.811 ccw(c100.599,-10.898) 100.519,-10.75 100.513,-10.751 cw(c99.931,-9.799) 100.512,-8.846 100.518,-8.847 ccw(c100.6,-8.7) 100.744,-8.787 100.743,-8.781 100.743,-7.437 100.743,-7.429 100.743,8.664 100.742,8.668 ccw(c100.599,8.581) 100.517,8.728 100.511,8.727 cw(c99.931,9.799) 100.51,10.87 100.515,10.87 ccw(c100.598,11.016) 100.741,10.927 100.743,10.932 100.743,12.17 100.739,12.176 ccw(c99.59,11.125) 99.201,12.633 99.198,12.632 97.305,11.791 80.614,11.791 75.706,14.736 75.702,14.737 71.774,14.737 71.768,14.73 71.768,10.809 65.889,10.809 65.889,14.73 65.882,14.737 61.957,14.737 59.013,17.681 59.008,17.683 19.728,17.683 19.724,17.681 17.762,15.719 1.201,15.719 1.179,15.718 ccw(c1.179,14.538) -0.001,14.538 -0.001,14.52 0.001,-14.515 ccw(c1.18,-14.538)
GND on Mid Layer 2 "BAT+_F_L04" (solid, pour order 92): 1.203,-15.719 17.762,-15.719 19.724,-17.681 19.728,-17.683 59.008,-17.683 59.013,-17.681 61.957,-14.737 65.882,-14.737 65.889,-14.73 65.889,-10.809 71.768,-10.809 71.768,-14.73 71.774,-14.737 75.702,-14.737 75.706,-14.736 80.614,-11.791 97.305,-11.791 99.197,-12.632 99.202,-12.632 ccw(c99.59,-11.124) 100.739,-12.174 100.743,-12.161 100.743,-10.814 100.742,-10.811 ccw(c100.599,-10.898) 100.519,-10.75 100.513,-10.751 cw(c99.931,-9.799) 100.512,-8.846 100.518,-8.847 ccw(c100.6,-8.7) 100.744,-8.787 100.743,-8.781 100.743,-7.437 100.743,-7.429 100.743,8.664 100.742,8.668 ccw(c100.599,8.581) 100.517,8.728 100.511,8.727 cw(c99.931,9.799) 100.51,10.87 100.515,10.87 ccw(c100.598,11.016) 100.741,10.927 100.743,10.932 100.743,12.17 100.739,12.176 ccw(c99.59,11.125) 99.201,12.633 99.198,12.632 97.305,11.791 80.614,11.791 75.706,14.736 75.702,14.737 71.774,14.737 71.768,14.73 71.768,10.809 65.889,10.809 65.889,14.73 65.882,14.737 61.957,14.737 59.013,17.681 59.008,17.683 19.728,17.683 19.724,17.681 17.762,15.719 1.201,15.719 1.179,15.718 ccw(c1.179,14.538) -0.001,14.538 -0.001,14.52 0.001,-14.515 ccw(c1.18,-14.538)
BAT+_F on Mid Layer 3 "BAT+_F_L04" (solid, pour order 199): 1.203,-15.719 17.762,-15.719 19.724,-17.681 19.728,-17.683 59.008,-17.683 59.013,-17.681 61.957,-14.737 65.882,-14.737 65.889,-14.73 65.889,-10.809 71.768,-10.809 71.768,-14.73 71.774,-14.737 75.702,-14.737 75.706,-14.736 80.614,-11.791 97.305,-11.791 99.197,-12.632 99.202,-12.632 ccw(c99.59,-11.124) 100.739,-12.174 100.743,-12.161 100.743,-10.814 100.742,-10.811 ccw(c100.599,-10.898) 100.519,-10.75 100.513,-10.751 cw(c99.931,-9.799) 100.512,-8.846 100.518,-8.847 ccw(c100.6,-8.7) 100.744,-8.787 100.743,-8.781 100.743,-7.437 100.743,-7.429 100.743,8.664 100.742,8.668 ccw(c100.599,8.581) 100.517,8.728 100.511,8.727 cw(c99.931,9.799) 100.51,10.87 100.515,10.87 ccw(c100.598,11.016) 100.741,10.927 100.743,10.932 100.743,12.17 100.739,12.176 ccw(c99.59,11.125) 99.201,12.633 99.198,12.632 97.305,11.791 80.614,11.791 75.706,14.736 75.702,14.737 71.774,14.737 71.768,14.73 71.768,10.809 65.889,10.809 65.889,14.73 65.882,14.737 61.957,14.737 59.013,17.681 59.008,17.683 19.728,17.683 19.724,17.681 17.762,15.719 1.201,15.719 1.179,15.718 ccw(c1.179,14.538) -0.001,14.538 -0.001,14.52 0.001,-14.515 ccw(c1.18,-14.538)

## Keep-outs
Top Layer:
  region: 90.043,0.127 90.043,-2.032 90.932,-2.032 90.932,0.127
  rectangle: 29.564,6.35 34.392,8.972
  rectangle: 21.971,4.679 27.929,6.05
  region: 35.091,0.42 38.034,-2.523 39.004,-1.553 36.061,1.39
  region: 83.768,6.027 81.355,6.027 81.355,4.656 83.768,4.656
  region: 84.821,5.476 83.503,6.794 82.533,5.825 83.852,4.507
  rectangle: 89.027,-0.023 93.855,1.348
  region: 92.202,-0.762 92.202,-2.921 93.091,-2.921 93.091,-0.762
  region: 69.145,-0.313 65.497,-0.313 65.497,-1.202 69.145,-1.202
  region: 68.072,0.762 68.072,2.921 67.183,2.921 67.183,0.762
  region: 19.977,6.262 16.929,6.262 16.929,5.373 19.977,5.373
  region: 23.434,4.412 20.591,7.256 18.711,5.376 21.555,2.532
  rectangle: 13.081,3.703 16.129,5.188
  region: 8.433,4.753 6.278,2.598 6.906,1.969 9.062,4.124
  region: 6.251,2.501 3.362,-0.388 5.013,-2.039 7.902,0.85
  region: 5.711,-4.314 3.556,-2.159 2.927,-2.788 5.083,-4.943
  rectangle: 5.654,-4.273 8.702,-2.54
  region: 8.382,-6.096 5.334,-6.096 5.334,-6.985 8.382,-6.985
  region: 23.654,-1.905 8.405,-1.905 8.405,-6.858 23.654,-6.858
  region: 17.676,0.519 19.831,2.675 18.873,3.633 16.718,1.478
  region: 43.565,2.671 45.72,4.826 45.091,5.455 42.936,3.299
  rectangle: 48.006,0.889 51.054,1.778
  rectangle: 77.139,3.969 80.187,4.858
  region: 24.227,-8.873 25.754,-7.346 23.965,-5.557 22.438,-7.083
  lines w0.1: 31.877,-3.556 36.3,0.925
Mid Layer 1:
  region: 43.709,0.155 43.709,5.406 42.452,5.406 42.452,0.155
  region: 62.484,-14.986 66.197,-11.273 65.308,-10.384 61.595,-14.097
  region: 38.481,1.524 42.194,5.237 41.305,6.126 37.592,2.413
  rectangle: 41.021,5.135 46.272,6.392
  region: 39.624,1.27 37.973,2.921 35.762,0.71 37.413,-0.941
  region: 38.306,-4.064 38.306,0.218 35.179,0.218 35.179,-4.064
Mid Layer 2:
  region: 62.484,-14.986 66.197,-11.273 65.308,-10.384 61.595,-14.097
  region: 47.244,12.827 33.84,12.827 33.84,11.094 47.244,11.094
  region: 18.288,6.731 20.828,9.271 20.066,10.033 17.526,7.493
  region: 15.957,1.26 19.985,5.288 17.703,7.57 13.675,3.542
  rectangle: 16.256,-3.683 26.739,-1.95
Mid Layer 3:
  region: 45.523,-3.716 41.148,-3.716 41.148,-6.301 45.523,-6.301
Mid Layer 4:
  region: 62.484,-14.986 66.197,-11.273 65.308,-10.384 61.595,-14.097
Bottom Layer:
  lines w0.1: 48.35,-10.733 48.35,-9.483
Keep-Out Layer:
  lines w0.1: 99.2,-12.625 99.2,-12.625 ; 100.736,12.17 100.738,12.171 ; 99.2,-12.625 ccw(c99.74,-11.629) 100.736,-12.169 100.736,-10.814 ccw(c100.597,-10.898) 100.517,-10.757 cw(c99.931,-9.8) 100.516,-8.841 100.514,-8.841 ccw(c100.599,-8.702) 100.738,-8.786 100.738,8.667 ; 99.2,-12.625 97.306,-11.784 80.612,-11.784 75.702,-14.73 71.774,-14.73 71.774,-10.802 65.882,-10.802 65.882,-14.73 61.954,-14.73 59.008,-17.676 19.728,-17.676 17.764,-15.712 1.203,-15.712 cw(c1.18,-14.538) 0.006,-14.515 0.005,14.52 0.004,14.538 cw(c1.179,14.538) 1.179,15.713 1.202,15.712 17.764,15.712 19.728,17.676 59.008,17.676 61.954,14.73 65.882,14.73 65.882,10.802 71.774,10.802 71.774,14.73 75.702,14.73 80.612,11.784 97.306,11.784 99.201,12.626 99.2,12.627 cw(c99.741,11.63) 100.737,12.17 ; 100.737,8.667 ccw(c100.598,8.583) 100.514,8.722 cw(c99.931,9.799) 100.514,10.876 100.514,10.877 ccw(c100.598,11.016) 100.737,10.932 ; 100.737,8.667 100.738,8.667 ; 100.738,10.932 100.738,12.171 ; 100.737,10.932 100.738,10.932

## Silkscreen, mask and mechanical layers (free items; w line width, h text height)
Top Overlay:
  circle w0.01: c25.85,-12.733 r2.5
  circle w0.01: c51.371,-12.732 r2.5
  circle w0.01: c25.85,12.732 r2.5
  circle w0.01: c51.371,12.732 r2.5
  lines w0.1: 40.845,-1.056 41.988,-0.548 ; 41.705,-0.489 41.988,-0.548 ; 54.9,-7.633 56.8,-7.633 57,-7.633 57,-1.933 58,-1.033 ; 57.6,-1.133 58,-1.033 ; 63.8,6.467 63.8,6.167 ; 64.2,6.267 63.8,6.167 ; 64.77,8.89 64.77,7.874 67.564,7.874 ; 65.096,7.817 63.8,6.167 ; 79.3,0.467 79.3,0.867 ; 80.9,-1.533 79.3,0.867 ; 41.988,-0.548 41.861,-0.802 41.988,-0.548 ; 58,-1.033 57.9,-1.433 58,-1.033 ; 79.3,0.867 79.6,0.667 79.3,0.867
  text "3C" at 21.283,16.965 h1.2 r180
  text "4A" at 37.793,16.838 h1.2 r180
  text "4B" at 44.016,16.838 h1.2 r180
  text "4C" at 48.463,16.835 h1.2 r180
  text "3A" at 9.853,15.06 h1.2 r180
  text "3B" at 14.298,15.06 h1.2 r180
  text "Sz.G" at 41.557,-8.489 h1 r90
  text "by." at 39.87,-9.261 h0.9 r90
  text "v0.1" at 36.858,-9.93 h1 r90
  text "PB" at 36.784,-12.856 h1.52 r90
  text "10-2025" at 38.214,-12.97 h0.7 r90
  text "1A" at 8.054,-15.06 h1.2
  text "1B" at 12.626,-15.06 h1.2
  text "1C" at 19.484,-17.092 h1.2
  text "2A" at 31.803,-17.219 h1.2
  text "2B" at 36.756,-17.219 h1.2
  text "2C" at 46.408,-17.219 h1.2
Bottom Overlay:
  lines w0.1: 59.771,0.602 59.898,0.856 71.074,0.856 71.074,-0.287 ; 63.708,-9.939 71.582,-7.526 ; 71.262,-8.002 71.582,-7.526 ; 71.328,-0.033 71.074,-0.287 ; 75.011,-12.606 75.011,-13.368 77.297,-13.368 77.551,-13.368 77.551,-12.606 ; 77.551,-13.114 80.218,-11.463 82.631,-11.463 83.012,-11.463 83.52,-11.082 ; 83.443,-11.314 83.52,-11.082 ; 84.52,-3.271 84.282,-3.462 ; 97.363,-2.7 97.236,-2.954 84.546,-2.954 84.282,-2.954 84.282,-3.462 ; 71.074,-0.287 70.82,-0.033 71.074,-0.287 ; 71.582,-7.526 70.884,-7.501 71.582,-7.526 ; 83.52,-11.082 83.248,-11.121 83.52,-11.082 ; 84.282,-3.462 84.047,-3.271 84.282,-3.462
Mechanical 15:
  drawing of 203 lines, arcs and shapes, not listed